# Altium PCB praxis_top_level_pcbdoc_v1.PcbDoc (part 1 of 2) (continued)
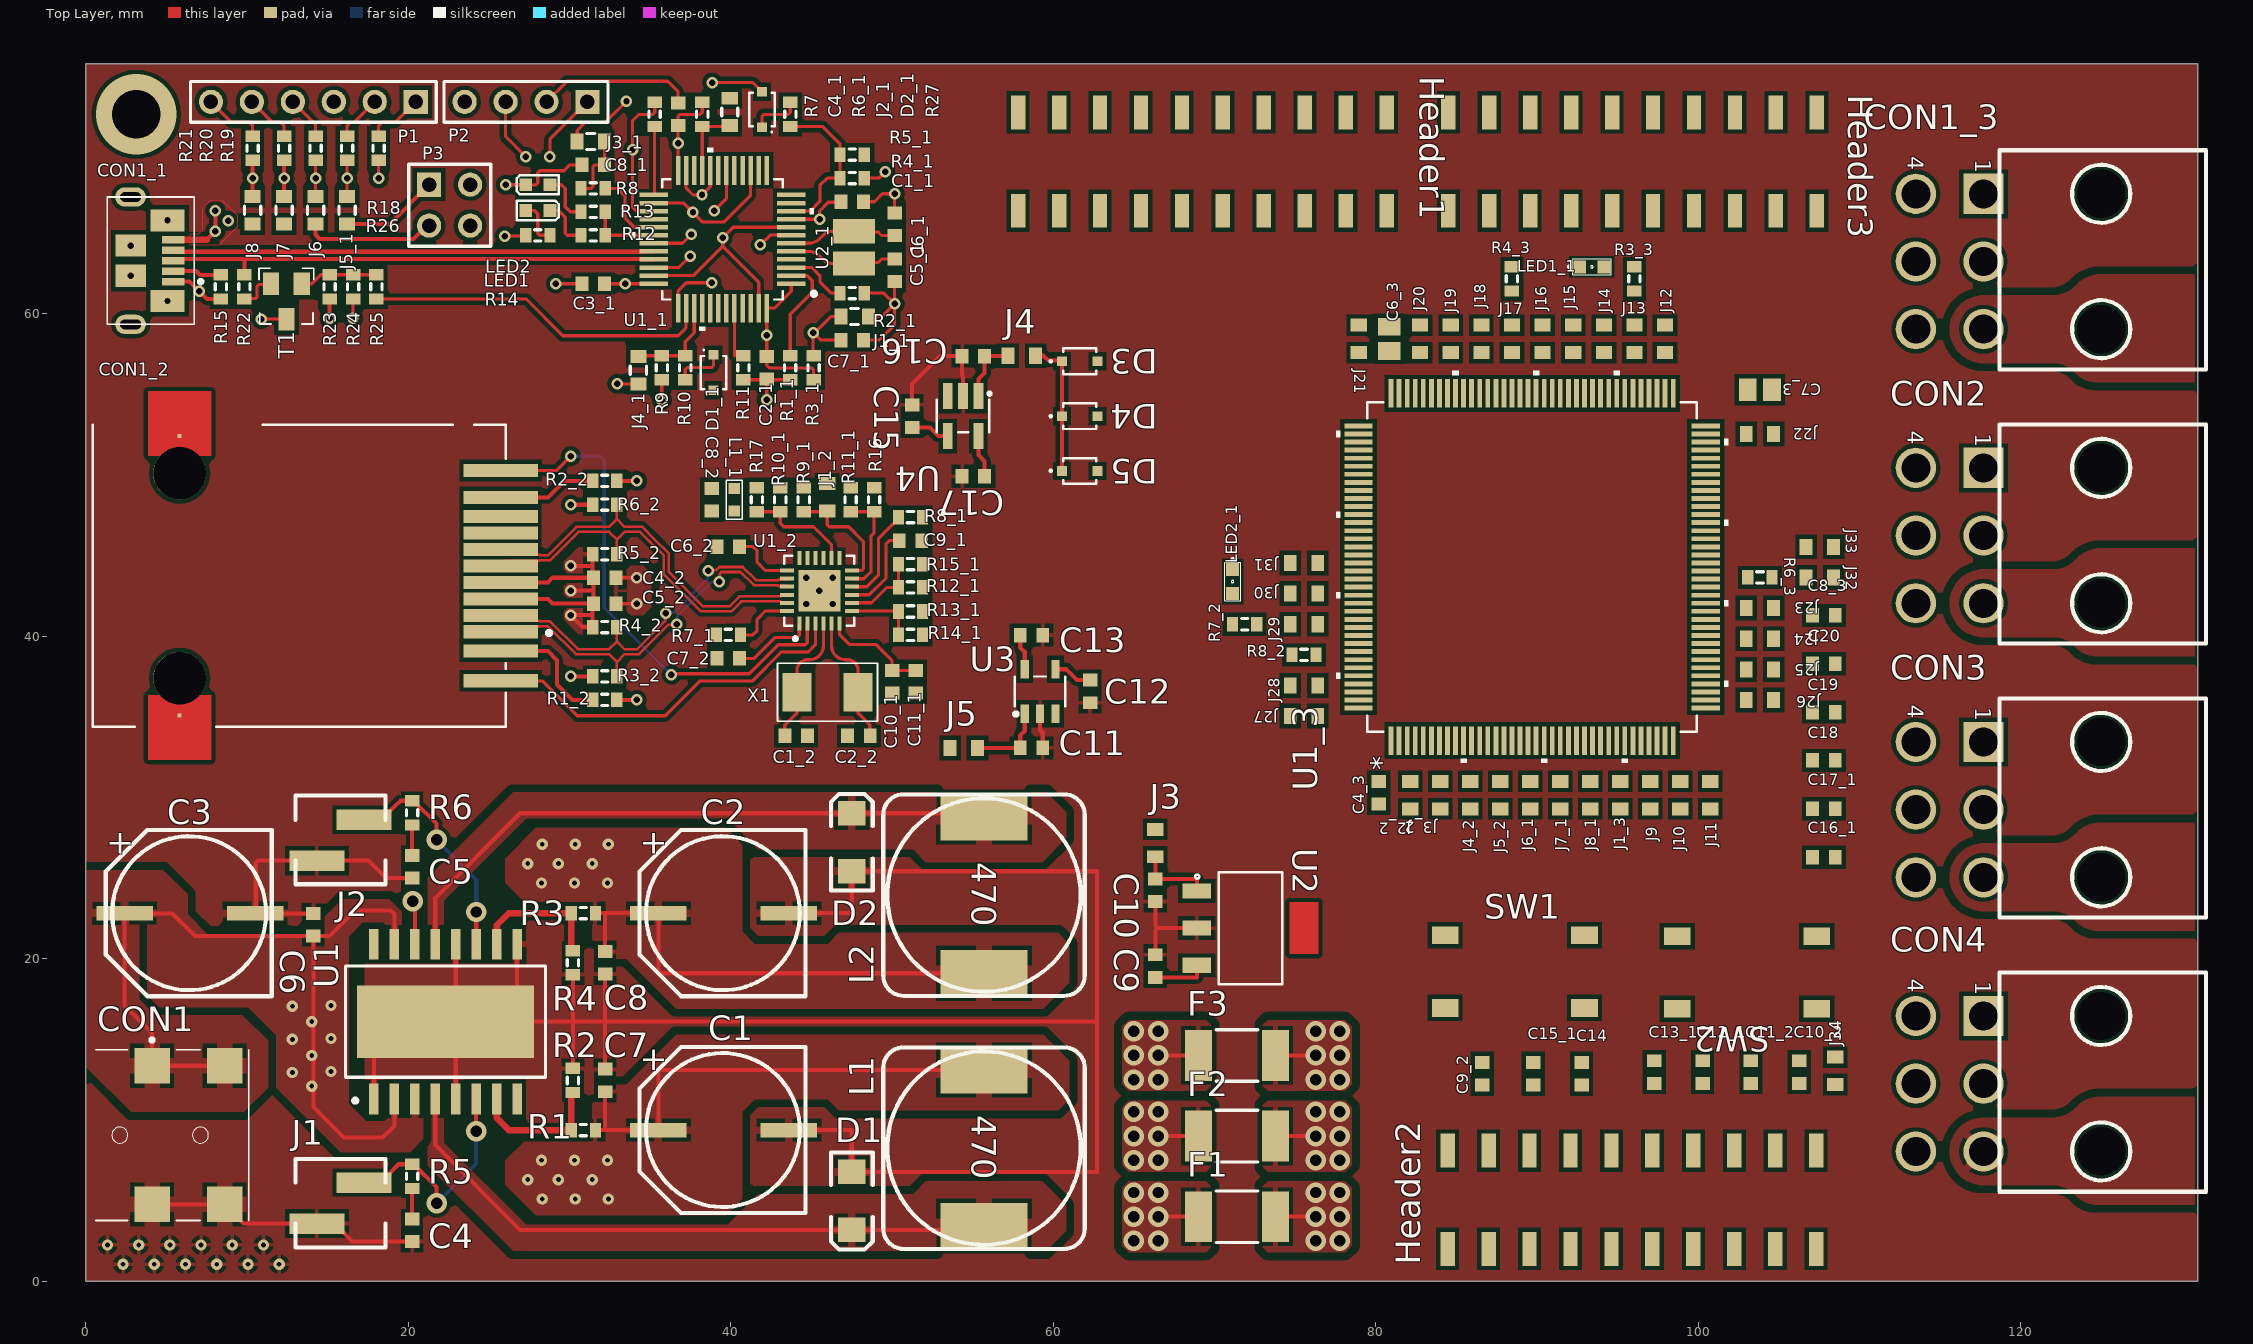
[diagram p0: Top Layer view]
## Components (designator, comment, footprint, x,y, rotation, side; value= is the part's Value field where it differs from the comment)
C1 "EEEFC1E471P" PCE4009CT 35.5,9.375 r0 top
C1_1 "Cap Semi" 1608[0603] 47.525,66.96 r180 top value=100nF (schematic designator C1)
C1_2 "Cap Semi" 1608[0603] 44.046,33.824 r180 top value=30pF (schematic designator C1)
C2 "EEEFC1E471P" PCE4009CT 35.5,22.825 r0 top
C2_1 "Cap Semi" 1608[0603] 42.225,56.658 r90 top value=100nF (schematic designator C2)
C2_2 "Cap Semi" 1608[0603] 47.943,33.824 r0 top value=30pF (schematic designator C2)
C3 "EEEFK1H221P" PCE4009CT 2.4,22.825 r0 top
C3_1 "Cap Semi" 1608[0603] 31.458,61.875 r0 top value=100nF (schematic designator C3)
C4 "Cap Semi" 1608[0603] 20.225,3.152 r90 top value=1uF
C4_1 "Cap Semi" 1608[0603] 36.725,72.375 r270 top value=100nF (schematic designator C4)
C4_2 "Cap Semi" 1608[0603] 32.18,43.635 r180 top value=100nF (schematic designator C4)
C4_3 "Cap Semi" 1608[0603] 80.19,30.3 r90 top value=1uF (schematic designator C4)
C5 "Cap Semi" 1608[0603] 20.225,25.698 r90 top value=1uF
C5_1 "Cap Semi" 1608[0603] 50.156,62.706 r90 top value=10pF (schematic designator C5)
C5_2 "Cap Semi" 1608[0603] 32.18,42.031 r180 top value=100nF (schematic designator C5)
C6 "Cap Semi" 1608[0603] 14.1,22.1 r90 top value=100nF
C6_1 "Cap Semi" 1608[0603] 50.156,65.56 r270 top value=10pF (schematic designator C6)
C6_2 "Cap Semi" 1608[0603] 39.843,45.565 r0 top value=100nF (schematic designator C6)
C6_3 "Cap Pol3" C0805 80.85,58.45 r270 top value=2.2uF (schematic designator C6)
C7 "Cap Semi" 1608[0603] 32.2,12.45 r90 top value=100nF
C7_1 "Cap Semi" 1608[0603] 47.525,58.378 r180 top value=100nF (schematic designator C7)
C7_2 "Cap Semi" 1608[0603] 39.843,38.631 r0 top value=100nF (schematic designator C7)
C7_3 "Cap Pol3" C0805 103.83,55.29 r0 top value=2.2uF (schematic designator C7)
C8 "Cap Semi" 1608[0603] 32.2,19.75 r270 top value=100nF
C8_1 "Cap Semi" 1608[0603] 31.458,69.238 r0 top value=20pF (schematic designator C8)
C8_2 "Cap Semi" 1608[0603] 38.802,48.473 r270 top value=10uF (schematic designator C8)
C8_3 "Cap Semi" 1608[0603] 107.8,41.3 r180 top value=4.7uF (schematic designator C8)
C9 "Cap Semi" 1608[0603] 66.327,19.547 r270 top value=1uF
C9_1 "Cap Semi" 1608[0603] 51.142,45.938 r180 top value=100nF (schematic designator C9)
C9_2 "Cap Semi" 1608[0603] 86.61,12.87 r270 top value=100nF (schematic designator C9)
C10 "Cap Semi" 1608[0603] 66.327,24.25 r90 top value=1uF
C10_1 "Cap Semi" 1608[0603] 49.999,37.177 r90 top value=470nF (schematic designator C10)
C10_2 "Cap Semi" 1608[0603] 106.27,12.97 r270 top value=100nF (schematic designator C10)
C11 "Cap Semi" 1608[0603] 58.648,33.081 r0 top value=1uF
C11_1 "Cap Semi" 1608[0603] 51.453,37.177 r90 top value=10uF (schematic designator C11)
C11_2 "Cap Semi" 1608[0603] 103.27,12.97 r270 top value=100nF (schematic designator C11)
C12 "Cap Semi" 1608[0603] 62.277,36.581 r270 top value=10nF
C12_1 "Cap Semi" 1608[0603] 100.27,12.97 r270 top value=100nF (schematic designator C12)
C13 "Cap Semi" 1608[0603] 58.648,40.081 r0 top value=1uF
C13_1 "Cap Semi" 1608[0603] 97.27,12.97 r270 top value=100nF (schematic designator C13)
C14 "Cap Semi" 1608[0603] 92.77,12.87 r270 top value=100nF
C15 "Cap Semi" 1608[0603] 51.241,53.658 r90 top value=10nF
C15_1 "Cap Semi" 1608[0603] 89.77,12.87 r270 top value=100nF (schematic designator C15)
C16 "Cap Semi" 1608[0603] 55.041,57.383 r180 top value=1uF
C16_1 "Cap Semi" 1608[0603] 107.8,26.3 r180 top value=100nF (schematic designator C16)
C17 "Cap Semi" 1608[0603] 55.041,49.934 r180 top value=1uF
C17_1 "Cap Semi" 1608[0603] 107.8,29.3 r180 top value=100nF (schematic designator C17)
C18 "Cap Semi" 1608[0603] 107.8,32.3 r180 top value=100nF
C19 "Cap Semi" 1608[0603] 107.8,35.3 r180 top value=100nF
C20 "Cap Semi" 1608[0603] 107.8,38.3 r180 top value=100nF
CON1 "PWR JACK" 694103107102 4.098,4.762 r90 top
CON1_1 "USB_1051640001" USB_1051640001 5.416,62 r0 top (schematic designator CON1)
CON1_2 "ARJE-0034" ARJE-0034 13.224,43.761 r90 top (schematic designator CON1)
CON1_3 "CONN_HEADER_RA_6POS" CONN_HEADER_RA_6POS 117.7,67.45 r270 top (schematic designator CON1)
CON2 "CONN_HEADER_RA_6POS" CONN_HEADER_RA_6POS 117.7,50.45 r270 top
CON3 "CONN_HEADER_RA_6POS" CONN_HEADER_RA_6POS 117.7,33.45 r270 top
CON4 "CONN_HEADER_RA_6POS" CONN_HEADER_RA_6POS 117.7,16.45 r270 top
D1 "SS26SHE3_A/H" SS26SHE3_A/H 47.5,6.775 r270 top
D1_1 "PMEG1030EJ" PMEG1030EJ 38.925,55.258 r90 top (schematic designator D1)
D2 "SS26SHE3_A/H" SS26SHE3_A/H 47.5,25.425 r90 top
D2_1 "PMEG1030EJ" PMEG1030EJ 41.934,73.774 r270 top (schematic designator D2)
D3 "PMEG1030EJ" PMEG1030EJ 62.741,57.058 r180 top
D4 "PMEG1030EJ" PMEG1030EJ 62.741,53.658 r180 top
D5 "PMEG1030EJ" PMEG1030EJ 62.741,50.258 r180 top
F1 "Comment" MINISMDC110F-2 69,4 r0 top
F2 "Comment" MINISMDC110F-2 69,9 r0 top
F3 "Comment" MINISMDC110F-2 69,14 r0 top
Header1 "CONN-RCPT-20POS" CONN-RCPT-20POS 57.82,66.4 r0 top
Header2 "CONN-RCPT-20POS" CONN-RCPT-20POS 107.32,8.1 r180 top
Header3 "CONN-RCPT-20POS" CONN-RCPT-20POS 107.36,72.5 r180 top
J1 "JUMPER_SMD" JUMPER_SMD 15.785,3.577 r90 top
J1_1 "JUMPER_SMD_0603" JUMPER_SMD_0603 48.525,59.834 r180 top (schematic designator J1)
J1_2 "JUMPER_SMD_0603" JUMPER_SMD_0603 45.975,49.473 r270 top (schematic designator J1)
J1_3 "JUMPER_SMD_0603" JUMPER_SMD_0603 95.167,29.3 r90 top (schematic designator J1)
J2 "JUMPER_SMD" JUMPER_SMD 15.785,28.623 r270 top
J2_1 "JUMPER_SMD_0603" JUMPER_SMD_0603 39.929,73.374 r270 top (schematic designator J2)
J2_2 "JUMPER_SMD_0603" JUMPER_SMD_0603 82.14,31 r270 top (schematic designator J2)
J3 "JUMPER_SMD_0603" JUMPER_SMD_0603 66.327,28.025 r270 top
J3_1 "JUMPER_SMD_0603" JUMPER_SMD_0603 32.158,70.694 r180 top (schematic designator J3)
J3_2 "JUMPER_SMD_0603" JUMPER_SMD_0603 84,29.3 r90 top (schematic designator J3)
J4 "JUMPER_SMD_0603" JUMPER_SMD_0603 58.9,57.4 r180 top
J4_1 "JUMPER_SMD_0603" JUMPER_SMD_0603 34.261,57.358 r270 top (schematic designator J4)
J4_2 "JUMPER_SMD_0603" JUMPER_SMD_0603 85.861,29.3 r90 top (schematic designator J4)
J5 "JUMPER_SMD_0603" JUMPER_SMD_0603 53.6,33.081 r0 top
J5_1 "JUMPER_SMD_0603" JUMPER_SMD_0603 16.196,67.276 r270 top (schematic designator J5)
J5_2 "JUMPER_SMD_0603" JUMPER_SMD_0603 87.722,29.3 r90 top (schematic designator J5)
J6 "JUMPER_SMD_0603" JUMPER_SMD_0603 14.241,67.276 r270 top
J6_1 "JUMPER_SMD_0603" JUMPER_SMD_0603 89.583,29.3 r90 top (schematic designator J6)
J7 "JUMPER_SMD_0603" JUMPER_SMD_0603 12.287,67.276 r270 top
J7_1 "JUMPER_SMD_0603" JUMPER_SMD_0603 91.444,29.3 r90 top (schematic designator J7)
J8 "JUMPER_SMD_0603" JUMPER_SMD_0603 10.333,67.276 r270 top
J8_1 "JUMPER_SMD_0603" JUMPER_SMD_0603 93.306,29.3 r90 top (schematic designator J8)
J9 "JUMPER_SMD_0603" JUMPER_SMD_0603 97.028,29.3 r90 top
J10 "JUMPER_SMD_0603" JUMPER_SMD_0603 98.889,29.3 r90 top
J11 "JUMPER_SMD_0603" JUMPER_SMD_0603 100.75,29.3 r90 top
J12 "JUMPER_SMD_0603" JUMPER_SMD_0603 97.95,59.3 r270 top
J13 "JUMPER_SMD_0603" JUMPER_SMD_0603 96.05,59.3 r270 top
J14 "JUMPER_SMD_0603" JUMPER_SMD_0603 94.15,59.3 r270 top
J15 "JUMPER_SMD_0603" JUMPER_SMD_0603 92.25,59.3 r270 top
J16 "JUMPER_SMD_0603" JUMPER_SMD_0603 90.35,59.3 r270 top
J17 "JUMPER_SMD_0603" JUMPER_SMD_0603 88.45,59.3 r270 top
J18 "JUMPER_SMD_0603" JUMPER_SMD_0603 86.55,59.3 r270 top
J19 "JUMPER_SMD_0603" JUMPER_SMD_0603 84.65,59.3 r270 top
J20 "JUMPER_SMD_0603" JUMPER_SMD_0603 82.75,59.3 r270 top
J21 "JUMPER_SMD_0603" JUMPER_SMD_0603 78.95,57.6 r90 top
J22 "JUMPER_SMD_0603" JUMPER_SMD_0603 102.98,52.55 r0 top
J23 "JUMPER_SMD_0603" JUMPER_SMD_0603 102.98,41.75 r0 top
J24 "JUMPER_SMD_0603" JUMPER_SMD_0603 102.98,39.85 r0 top
J25 "JUMPER_SMD_0603" JUMPER_SMD_0603 102.98,37.95 r0 top
J26 "JUMPER_SMD_0603" JUMPER_SMD_0603 102.98,36.05 r0 top
J27 "JUMPER_SMD_0603" JUMPER_SMD_0603 76.4,35.05 r180 top
J28 "JUMPER_SMD_0603" JUMPER_SMD_0603 76.4,36.95 r180 top
J29 "JUMPER_SMD_0603" JUMPER_SMD_0603 76.4,40.75 r180 top
J30 "JUMPER_SMD_0603" JUMPER_SMD_0603 76.4,42.65 r180 top
J31 "JUMPER_SMD_0603" JUMPER_SMD_0603 76.4,44.55 r180 top
J32 "JUMPER_SMD_0603" JUMPER_SMD_0603 106.7,43.65 r0 top
J33 "JUMPER_SMD_0603" JUMPER_SMD_0603 106.7,45.55 r0 top
J34 "JUMPER_SMD_0603" JUMPER_SMD_0603 108.5,13.9 r270 top
L1 "SRR1240-470M" SRR1240-470M 55.7,13.1 r270 top
L1_1 "GLRF1608T101M-LR" GLRF1608T101M-LR 40.206,49.173 r270 top (schematic designator L1)
L2 "SRR1240-470M" SRR1240-470M 55.7,28.8 r270 top
LED1 "LTST-C191TGKT" LTST-C191TGKT 28.025,66.404 r0 top
LED1_1 "LTST-C191KRKT" LTST-C191KRKT 93.403,62.92 r180 top (schematic designator LED1)
LED2 "LTST-C191KRKT" LTST-C191KRKT 28.025,68.008 r180 top
LED2_1 "LTST-C191KRKT" LTST-C191KRKT 71.12,43.397 r90 top (schematic designator LED2)
P1 "HEADER_1X6" HEADER_1X6 20.451,73.15 r180 top
P2 "HEADER_1X4" HEADER_1X4 31.105,73.15 r180 top
P3 "HEADER_2X2" HEADER_2X2 21.285,68.015 r0 top
R1 "Res3" J1-0603 30.85,9.375 r0 top value=4K
R1_1 "Res3" J1-0603 43.679,56.658 r90 top value=10K (schematic designator R1)
R1_2 "Res3" J1-0603 32.18,36.056 r180 top value=270 (schematic designator R1)
R2 "Res3" J1-0603 30.2,12.45 r270 top value=1K
R2_1 "Res3" J1-0603 47.525,61.29 r0 top value=10K (schematic designator R2)
R2_2 "Res3" J1-0603 32.18,49.638 r180 top value=270 (schematic designator R2)
R3 "Res3" J1-0603 30.85,22.825 r0 top value=2.3K
R3_1 "Res3" J1-0603 45.134,56.658 r270 top value=100K (schematic designator R3)
R3_2 "Res3" J1-0603 32.18,37.51 r180 top value=50 (schematic designator R3)
R3_3 "0603" J1-0603 96.05,62.17 r270 top value=1K (schematic designator R3)
R4 "Res3" J1-0603 30.2,19.75 r90 top value=1K
R4_1 "Res3" J1-0603 47.525,68.425 r0 top value=4k7 (schematic designator R4)
R4_2 "Res3" J1-0603 32.18,40.577 r180 top value=50 (schematic designator R4)
R4_3 "0603" J1-0603 88.45,62.17 r270 top value=10K (schematic designator R4)
R5 "Res3" J1-0603 20.225,6.502 r90 top value=1K
R5_1 "Res3" J1-0603 47.525,69.879 r180 top value=4k7 (schematic designator R5)
R5_2 "Res3" J1-0603 32.18,45.089 r180 top value=50 (schematic designator R5)
R6 "Res3" J1-0603 20.225,29.048 r90 top value=1K
R6_1 "Res3" J1-0603 38.225,72.375 r90 top value=??? (schematic designator R6)
R6_2 "Res3" J1-0603 32.18,48.163 r180 top value=50 (schematic designator R6)
R6_3 "0603" J1-0603 103.83,43.65 r0 top value=100K (schematic designator R6)
R7 "Res3" J1-0603 35.271,72.375 r270 top value=100
R7_1 "Res3" J1-0603 39.843,40.085 r0 top value=12K1 (schematic designator R7)
R7_2 "0603" J1-0603 71.87,40.75 r180 top value=680 (schematic designator R7)
R8 "Res3" J1-0603 31.458,67.784 r0 top value=100
R8_1 "Res3" J1-0603 51.142,47.392 r180 top value=10K (schematic designator R8)
R8_2 "Res3" J1-0603 75.55,38.85 r180 top value=10K (schematic designator R8)
R9 "Res3" J1-0603 35.716,56.658 r90 top value=4k7
R9_1 "Res3" J1-0603 44.519,48.473 r90 top value=1K5 (schematic designator R9)
R10 "Res3" J1-0603 37.171,56.658 r270 top value=2k7
R10_1 "Res3" J1-0603 43.065,48.473 r90 top value=10K (schematic designator R10)
R11 "Res3" J1-0603 40.771,56.658 r90 top value=100k
R11_1 "Res3" J1-0603 47.431,48.473 r90 top value=10K (schematic designator R11)
R12 "Res3" J1-0603 31.458,64.875 r180 top value=100
R12_1 "Res3" J1-0603 51.142,43.029 r0 top value=10K (schematic designator R12)
R13 "Res3" J1-0603 31.458,66.329 r0 top value=100
R13_1 "Res3" J1-0603 51.142,41.539 r0 top value=10K (schematic designator R13)
R14 "Res3" J1-0603 28.025,64.875 r180 top value=0
R14_1 "Res3" J1-0603 51.142,40.085 r0 top value=33 (schematic designator R14)
R15 "Res3" J1-0603 8.371,61.673 r90 top value=100K
R15_1 "Res3" J1-0603 51.142,44.484 r180 top value=33 (schematic designator R15)
R16 "Res3" J1-0603 48.885,48.473 r90 top value=33
R17 "Res3" J1-0603 41.611,48.473 r90 top value=33
R18 "Res3" J1-0603 16.196,70.276 r90 top value=22
R19 "Res3" J1-0603 14.241,70.276 r90 top value=22
R20 "Res3" J1-0603 12.287,70.276 r90 top value=22
R21 "Res3" J1-0603 10.333,70.276 r90 top value=22
R22 "Res3" J1-0603 9.825,61.673 r90 top value=1K5
R23 "Res3" J1-0603 15.108,61.673 r270 top value=10K
R24 "Res3" J1-0603 16.562,61.673 r90 top value=36K
R25 "Res3" J1-0603 18.016,61.673 r270 top value=100
R26 "Res3" J1-0603 18.15,70.276 r90 top value=10K
R27 "Res3" J1-0603 43.688,72.375 r90 top value=100
SW1 "SW" TVDM04 84.3,16.95 r0 top
SW2 "SW" TVDM04 107.35,21.4 r180 top
T1 "BSR14" BSR14 13.379,61.875 r180 top
U1 "SPI-8001TW" SOP127P1050X275_HS-17N 22.3,16.1 r90 top
U1_1 "STM32F103CBT6" STM32F103CBT6 39.475,64.625 r180 top (schematic designator U1)
U1_2 "LAN8742A-CZ" LAN8742A-CZ 45.494,42.826 r90 top (schematic designator U1)
U1_3 "STM32F746ZGT6" STM32F746ZGT6 89.7,44.3 r90 top (schematic designator U1)
U2 "MCP1825S-3302E" MCP1825S-3302E 72.227,21.899 r270 top
U2_1 "NX3225GD" NX3225GD-8MHZ 47.625,64.125 r270 top (schematic designator U2)
U3 "MIC5301-3.3YD5-TR" MIC5301-3.3YD5-TR 59.177,36.581 r90 top
U4 "LD3985M33R" LD3985M33R 54.407,53.658 r270 top value=Value
X1 "E5FA25" E5FA25 44.094,36.528 r0 top

## Footprints (in the part's own frame and the unit in brackets; to place one, negate y for a bottom-side part, rotate by r counter-clockwise, add the part's x,y. Pads: shape width x height; smd on the part's side, far side on the other; paste and mask are expansions set on the pad)
1608[0603] [mm] "Chip Capacitor, Body 1.6x0.8mm, IPC High Density"
  rect 0.8x0.9 smd: 1(-0.7,0) 2(0.7,0)
  body extent -0.87,-0.48 0.87,0.48, height 1.3
694103107102 [mm]
  rect 2.2x2.2 smd: 1(8.6,-4.5) 1(8.6,0) 2(0,0) 2(0,-4.5)
  silkscreen extent -1,-6 10.3,3.5, body extent -0.6,-5.8 9.2,3.5, height 5.29
ARJE-0034 [mil]
  rect 32x181 smd paste+0 mask+0: 1(-256.69,-492.18) 2(-184.25,-492.18) 3(-137.01,-492.18) 4(-96.85,-492.18) 5(-56.69,-492.18) 6(-16.54,-492.18) 7(23.62,-492.18) 8(63.78,-492.18) 9(103.94,-492.18) 10(144.09,-492.18) 11(191.34,-492.18) 12(256.69,-492.18)
  rect 10x10 smd: 13(-341.34,292.11) 14(341.34,292.11)
  round 128 hole 128: 16(250,292.11) 17(-250,292.11)
  Top Layer region: 450,215.11 450,369.11 292.34,369.11 292.34,215.11
  Top Layer region: -292.34,215.11 -292.34,369.11 -450,369.11 -450,215.11
  silkscreen extent -369,-615 369,504, body extent -407,-569 407,506, height 660
BSR14 [mm]
  rect 1x1.4 smd: 1(0,0) 2(1.9,0) 3(0.95,2.2)
  silkscreen extent -0.75,-0.95 2.65,2.5, body extent -0.55,-0.15 2.45,2.35, height 1.1
C0805 [mm] "Chip Capacitor, Body 2.0x1.3mm, IPC High Density"
  rect 1.1x1.4 smd: 1(-0.75,0) 2(0.75,0)
  body extent -1.1,-0.72 1.1,0.72, height 1.4
CONN-RCPT-20POS [mm] "Header Female 20 pins - double row smd"
  rect 0.89x2.1 smd: 1(0,0) 2(2.54,0) 3(5.08,0) 4(7.62,0) 5(10.16,0) 6(12.7,0) 7(15.24,0) 8(17.78,0) 9(20.32,0) 10(22.86,0) 12(2.54,6.1) 13(5.08,6.1) 14(7.62,6.1) 15(10.16,6.1) 16(12.7,6.1) 17(15.24,6.1) 18(17.78,6.1) 19(20.32,6.1) 20(22.86,6.1)
  rect 0.89x2.1 smd rot 0.1: 11(0,6.1)
  body extent -1.53,-0.2 24.37,6.4, height 5.1
CONN_HEADER_RA_6POS [mm]
  rect 2.5x2.5 hole 1.8: 1(0,0)
  round 2.5 hole 1.8: 2(4.2,0) 3(8.4,0) 4(0,-4.2) 5(4.2,-4.2) 6(8.4,-4.2)
  round 0 hole 3: ""(0,7.3) ""(8.4,7.3)
  silkscreen extent -2.7,1 10.9,13.8, body extent -3.22,-4.7 11.07,13.73, height 11.1
E5FA25 [mm]
  rect 1.8x2.4 smd: 1(0,0) 2(3.8,0)
  silkscreen extent -1.2,-1.8 5,1.8, body extent -0.6,-1.6 4.4,1.6, height 1.4
GLRF1608T101M-LR [mm]
  rect 0.7x0.7 smd: 1(0,0) 2(1.4,0)
  silkscreen extent -0.5,-0.5 1.9,0.5, body extent -0.1,-0.4 1.5,0.4, height 0.8
HEADER_1X4 [mm] "Connector; Header; 4 Position"
  rect 1.5x1.5 hole 0.9: 1(0,0)
  round 1.5 hole 0.9: 2(2.54,0) 3(5.08,0) 4(7.62,0)
  silkscreen extent -1.27,-1.27 8.9,1.27, body extent -1.28,-1.27 8.88,1.27, height 9.2
HEADER_1X6 [mm] "Connector; Header; 6 Position"
  rect 1.5x1.5 hole 0.9: 1(0,0)
  round 1.5 hole 0.9: 2(2.54,0) 3(5.08,0) 4(7.62,0) 5(10.16,0) 6(12.7,0)
  silkscreen extent -1.27,-1.27 13.97,1.27, body extent -1.27,-1.27 13.97,1.27, height 9.2
HEADER_2X2 [mm]
  rect 1.5x1.5 hole 0.9: 1(0,0)
  round 1.5 hole 0.9: 2(2.54,0) 3(0,-2.54) 4(2.54,-2.54)
  silkscreen extent -1.27,-3.82 3.82,1.27, body extent -1.27,-3.83 3.81,1.26, height 8.49
J1-0603 [mm] "Chip Resistor, Body 1.6x0.8mm, IPC High Density"
  rect 0.7x0.9 smd: 1(-0.75,0) 2(0.75,0)
  silkscreen extent -0.2,-0.35 0.2,0.35, body extent -0.85,-0.48 0.85,0.48, height 0.9
JUMPER_SMD [mm]
  rect 1.27x3.43 smd: 1(0,1.46) 2(2.54,-1.46)
  silkscreen extent -1.5,-2.8 4,2.8, body extent -1.27,-2.64 3.81,2.64, height 17.21
JUMPER_SMD_0603 [mm]
  rect 0.8x1 smd: 1(0,0) 2(1.7,0)
  silkscreen extent 0.6,-0.5 1.1,0.5, body extent 0.05,-0.4 1.65,0.4, height 0.45
LAN8742A-CZ [mil]
  rect 34x9.84 smd paste+0 mask+0: 1(-79.5,49.21) 2(-79.5,29.53) 3(-79.5,9.84) 4(-79.5,-9.84) 5(-79.5,-29.53) 6(-79.5,-49.21) 13(79.5,-49.21) 14(79.5,-29.53) 15(79.5,-9.84) 16(79.5,9.84) 17(79.5,29.53) 18(79.5,49.21)
  rect 9.84x34 smd paste+0 mask+0: 7(-49.21,-79.5) 8(-29.53,-79.5) 9(-9.84,-79.5) 10(9.84,-79.5) 11(29.53,-79.5) 12(49.21,-79.5) 19(49.21,79.5) 20(29.53,79.5) 21(9.84,79.5) 22(-9.84,79.5) 23(-29.53,79.5) 24(-49.21,79.5)
  rect 102x102 smd paste-50.5 mask+0: 25(0,0)
  silkscreen extent -121,-86 86,86, body extent -81,-81 81,81, height 55
LD3985M33R [mm]
  rect 1.61x0.608 smd paste+0 mask+0: 1(-1.244,0.95) 2(-1.244,0) 3(-1.244,-0.95) 4(1.244,-0.95) 5(1.244,0.95)
  silkscreen extent -1.46,-1.63 1,1.71, body extent -1.5,-1.5 1.5,1.5, height 1.45
LTST-C191KRKT [mm]
  rect 0.8x0.8 smd paste+0 mask+0: 1(-0.747,0) 2(0.747,0)
  silkscreen extent -1.19,-0.5 1.4,0.5, body extent -0.85,-0.45 0.85,0.45, height 0.9
LTST-C191TGKT [mm]
  rect 0.8x0.8 smd paste+0 mask+0: 1(-0.747,0) 2(0.747,0)
  silkscreen extent -1.3,-0.6 1.3,0.6, body extent -0.85,-0.45 0.85,0.45, height 0.9
MCP1825S-3302E [mil]
  rect 37x70 smd paste+0 mask+0: 1(-90.55,-130.7) 2(0,-130.7) 3(90.55,-130.7)
  Top Layer region: 63,95.7 63,165.7 -63,165.7 -63,95.7
  silkscreen extent -137,-135 137,78, body extent -132,-144 132,144, height 71
MIC5301-3.3YD5-TR [mil]
  rect 45.5x20 smd paste+0 mask+0: 1(-54.24,37.3) 2(-54.24,-0.1) 3(-54.24,-37.5) 4(54.26,-37.5) 5(54.26,37.3)
  silkscreen extent -59,-62 37,63, body extent -55,-57 55,57, height 39
MINISMDC110F-2 [mm]
  rect 1.68x3.15 smd: 1(0,0) 2(4.78,0)
  silkscreen extent 1.1,-1.6 3.7,1.6, body extent 0.01,-1.72 4.76,1.71, height 0.49
NX3225GD-8MHZ [mm]
  rect 1.5x2.6 smd paste+0 mask+0: 1(-1,0) 2(1,0)
  body extent -1.65,-1.29 1.65,1.3, height 0.99
PCE4009CT [mm]
  rect 3.5x0.9 smd: 1(0,0) 2(8.1,0)
  silkscreen extent -1.18,-5.15 9.12,5.15, body extent -1.77,-5.15 9.83,5.15, height 10.2
PMEG1030EJ [mm]
  rect 0.6x0.6 smd: 1(0,0) 2(2.2,0)
  silkscreen extent 0.07,-0.8 2.51,0.8, body extent -0.15,-0.67 2.35,0.68, height 1
SOP127P1050X275_HS-17N [mm] "SOP, 16-Leads, Body 12,20x7,50mm, Pitch 1,27mm, Thermal Pad 11,00x4,50mm, IPC Medium Density"
  rect 1.9x0.6 smd: 1(-4.8,4.445) 2(-4.8,3.175) 3(-4.8,1.905) 4(-4.8,0.635) 5(-4.8,-0.635) 6(-4.8,-1.905) 7(-4.8,-3.175) 8(-4.8,-4.445) 9(4.8,-4.445) 10(4.8,-3.175) 11(4.8,-1.905) 12(4.8,-0.635) 13(4.8,0.635) 14(4.8,1.905) 15(4.8,3.175) 16(4.8,4.445)
  rect 4.5x11 smd: 17(0,0)
  silkscreen extent -5.02,-6.2 3.45,6.2, body extent -5.15,-5.1 5.15,5.1, height 3.5
SRR1240-470M [mm]
  rect 2.9x5.4 smd: 1(0,0) 2(9.7,0)
  silkscreen extent -1.4,-6.25 11.1,6.25, body extent -1.45,-6.25 11.05,6.25, height 4.5
SS26SHE3_A/H [mm]
  rect 1.52x1.68 smd: 1(0,0) 2(3.6,0)
  silkscreen extent -1.2,-1.3 4.8,1.3, body extent -0.95,-1.4 4.55,1.4, height 2.6
STM32F103CBT6 [mil]
  rect 70x11 smd paste+0 mask+0: 1(-168,108.27) 2(-168,88.58) 3(-168,68.9) 4(-168,49.21) 5(-168,29.53) 6(-168,9.84) 7(-168,-9.84) 8(-168,-29.53) 9(-168,-49.21) 10(-168,-68.9) 11(-168,-88.58) 12(-168,-108.27) 25(168,-108.27) 26(168,-88.58) 27(168,-68.9) 28(168,-49.21) 29(168,-29.53) 30(168,-9.84) 31(168,9.84) 32(168,29.53) 33(168,49.21) 34(168,68.9) 35(168,88.58) 36(168,108.27)
  rect 11x70 smd paste+0 mask+0: 13(-108.27,-168) 14(-88.58,-168) 15(-68.9,-168) 16(-49.21,-168) 17(-29.53,-168) 18(-9.84,-168) 19(9.84,-168) 20(29.53,-168) 21(49.21,-168) 22(68.9,-168) 23(88.58,-168) 24(108.27,-168) 37(108.27,168) 38(88.58,168) 39(68.9,168) 40(49.21,168) 41(29.53,168) 42(9.84,168) 43(-9.84,168) 44(-29.53,168) 45(-49.21,168) 46(-68.9,168) 47(-88.58,168) 48(-108.27,168)